# Altium PCB LimeSDR-USB_1v4s.PcbDoc (part 8 of 10)
Units mm, origin at the board's own origin, x right, y up, seen from the top; angles counter-clockwise.
Board outline 100 x 60 mm, 12 copper layers (Top, L2, L3, L4, L5, L6, L7, L8, L9, L10, L11, Bottom), stack 1.58 mm thick; 858 components, 627 nets, 4058 pads, 2110 vias.
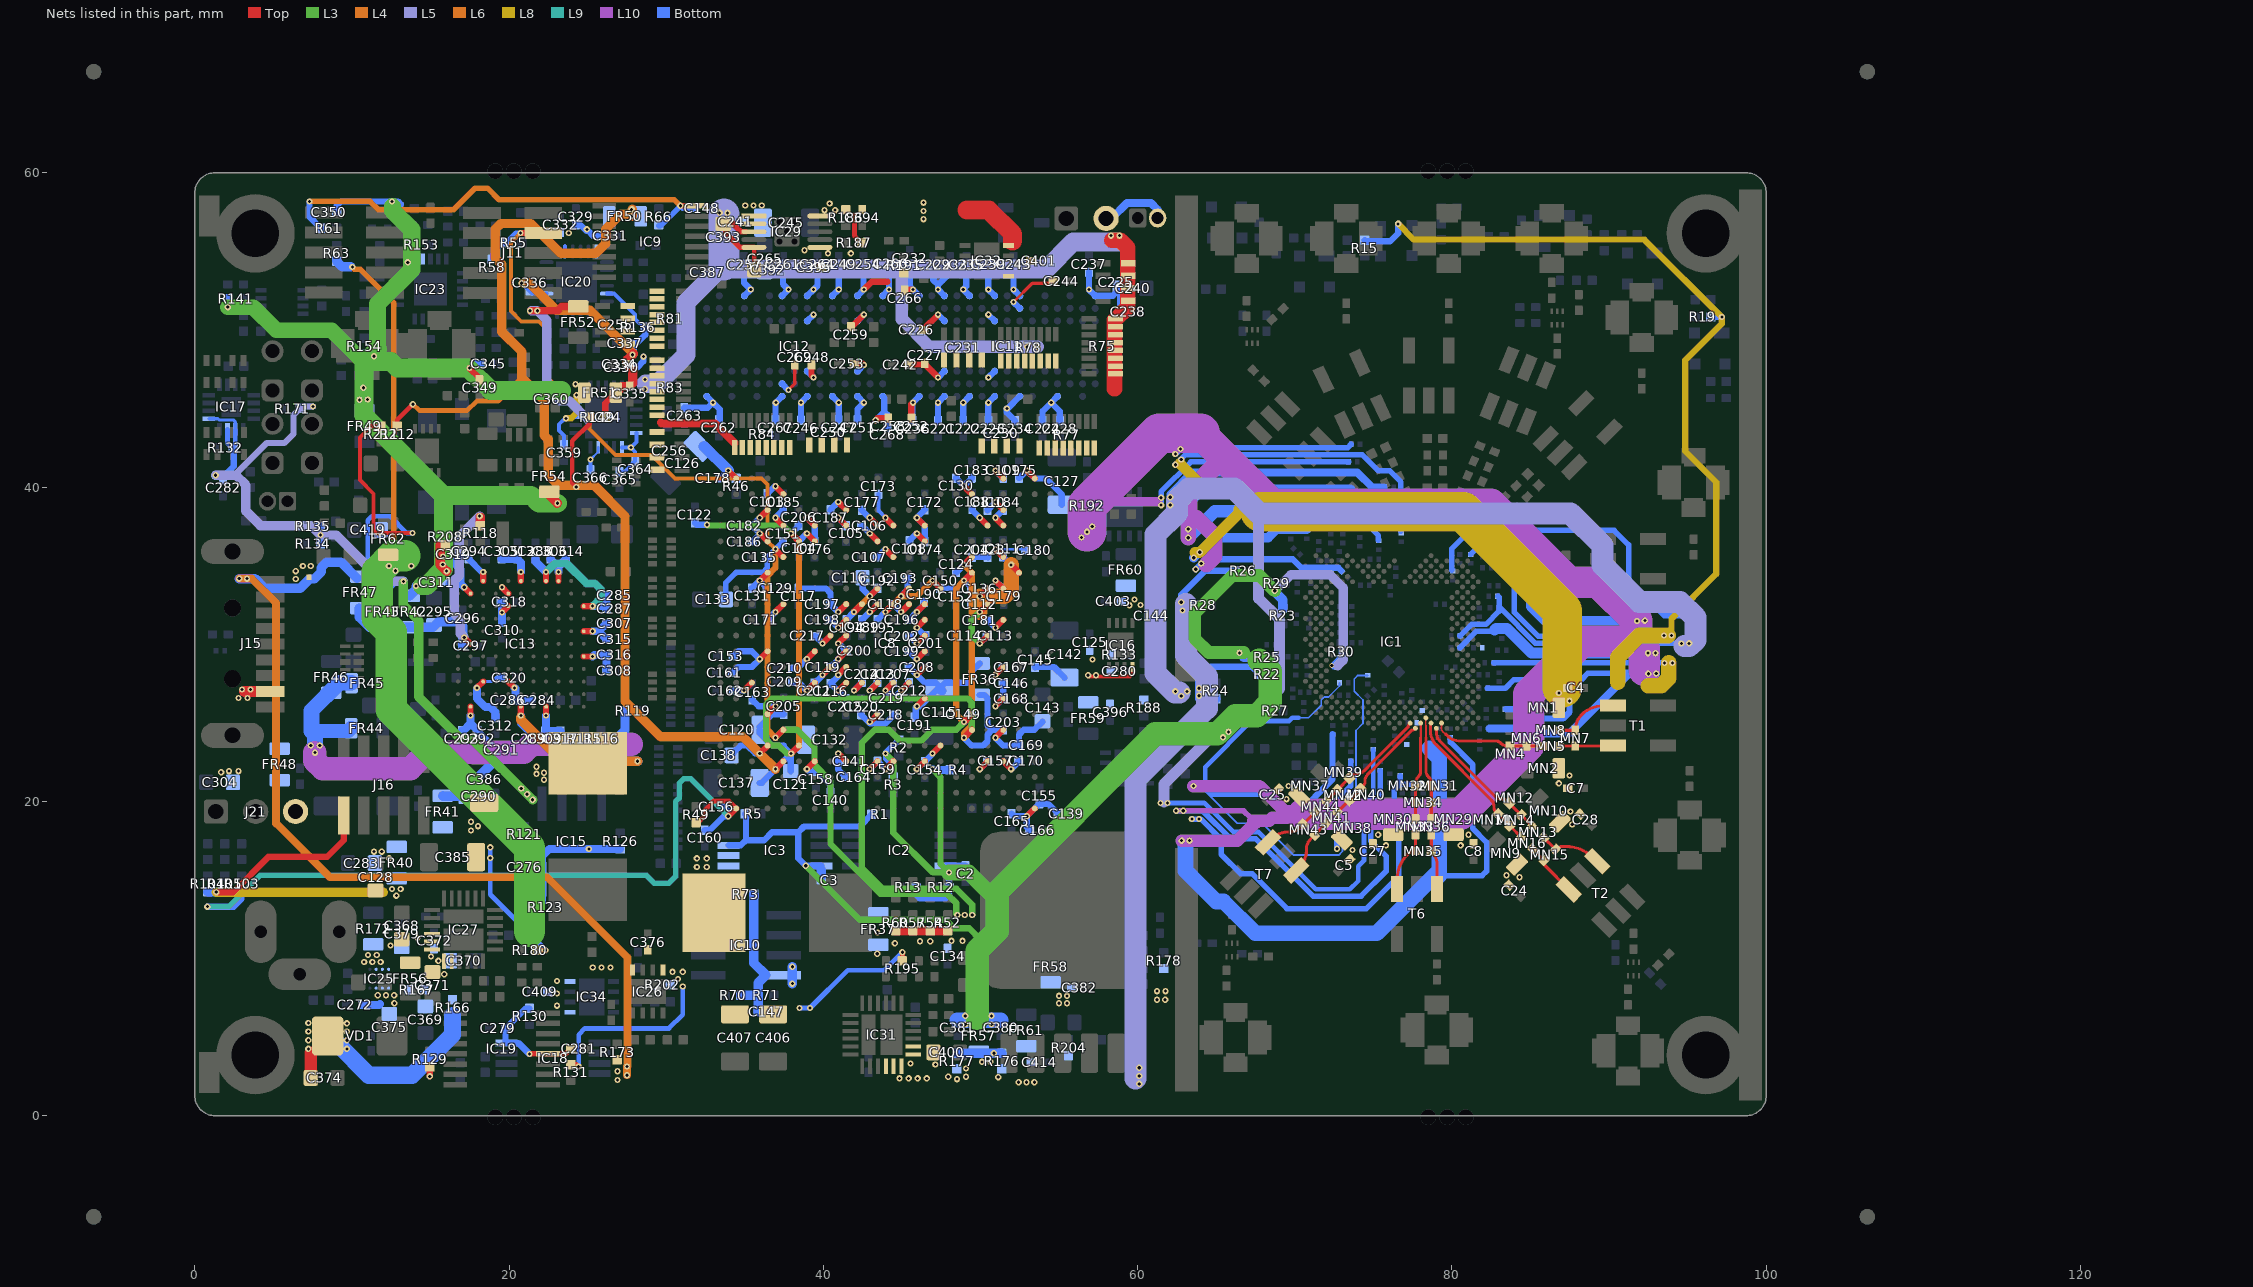
[diagram p18: the nets of this part, all layers, seen from the top]

## Via types
v1: diameter 0.4, hole 0.2, Top to Bottom, tented both sides, 1293 vias
v2: diameter 0.4, hole 0.2, Top to Bottom, tented top, 427 vias
v3: diameter 0.4, hole 0.2, Top to Bottom, 281 vias
v4: diameter 0.31, hole 0.2, Top to Bottom, tented top, 89 vias
v5: diameter 0.5, hole 0.2, Top to Bottom, tented both sides, 20 vias

## Nets (pads, with @x,y where several pads share a name; then routed paths per layer and width w, separated by ;. In a path a pad name is that pad's centre, name@x,y a point inside that pad or via, vN(x,y) a via of type N, cw(c..) or ccw(c..) an arc to the next point about the centre after c; other vN are vias at no path point) (continued)
TXRF1_1AB_P: IC1.B8 MN4.1 MN5.2 MN6.2 | length 7.2
  Top w0.11: IC1.B8@79.34,24.981 79.34,24.626 ccw(c79.608,24.626) 79.418,24.436 79.568,24.286
  Top w0.2: 79.611,24.278 79.761,24.128 ccw(c80.426,24.794) 80.426,23.853 82.755,23.853 cw(c82.755,23.345) 83.114,23.704 83.147,23.672 ccw(c83.506,24.031) 83.506,23.523 MN4.1@83.695,23.523 84.745,23.523 MN5.2@85.795,23.523
TXRF1_1BB_N: MN7.1 MN8.2 T1.3 | length 4.2
  Top w0.2: MN8.2@86.795,24.523 MN7.1@87.845,24.523 cw(c89.245,24.523) 88.255,25.512 cw(c89.656,24.111) 89.656,26.093 T1.3@90.113,26.093
TXRF1_1BB_P: MN5.1 MN7.2 T1.1 | length 3.5
  Top w0.2: MN5.1@86.795,23.523 87.195,23.523 MN7.2@87.845,23.523 90.183,23.523 ccw(c90.183,23.625) T1.1@90.255,23.553
TXRF1_2AB_N: IC1.B10 MN11.1 MN14.2 MN16.2 | length 9.6
  Top w0.19: 78.626,24.481 78.626,24.865 cw(c78.79,24.865) IC1.B10@78.674,24.981
  Top w0.2: 78.626,24.481 ccw(c79.876,24.481) 78.992,23.597 82.405,20.184 82.518,20.071 cw(c82.159,19.712) 82.667,19.712 82.667,19.666 ccw(c83.175,19.666) 82.815,19.307 82.95,19.173 83.232,18.89 MN14.2@83.692,18.43 MN16.2@84.434,17.688
TXRF1_2AB_P: IC1.A9 MN12.1 MN13.2 MN14.1 | length 9
  Top w0.2: IC1.A9@79.007,24.648 79.007,24.373 ccw(c79.757,24.373) 79.227,23.843 82.713,20.357 82.758,20.311 ccw(c83.118,20.671) 83.118,20.163 83.163,20.163 cw(c83.163,19.655) 83.523,20.014 83.939,19.597 MN14.1@84.399,19.137 MN13.2@85.142,18.395
TXRF1_2BB_N: MN15.1 MN16.1 T2.4 | length 3.5
  Top w0.2: MN16.1@85.142,16.981 MN15.1@85.884,16.238 85.884,16.01 ccw(c86.031,16.01) 85.927,15.906 T2.4@87.444,14.39
TXRF1_2BB_P: MN13.1 MN15.2 T2.6 | length 4
  Top w0.2: MN13.1@85.849,17.688 MN15.2@86.591,16.945 cw(c87.023,16.513) 87.023,17.124 87.249,17.124 cw(c87.249,14.584) 88.987,16.437 cw(c87.249,14.584) 89.032,16.393 cw(c87.249,14.584) 89.045,16.38 T2.6@89.24,16.186
TXRF2_1AB_N: IC1.C11 MN31.1 MN34.1 MN36.1 | length 6.5
  Top w0.11: 78.341,24.809 IC1.C11@78.341,25.314
  Top w0.14: 78.341,24.809 78.341,24.069 78.35,24.059
  Top w0.2: 78.35,24.059 78.35,21.924 ccw(c78.858,21.924) 78.499,21.565 78.532,21.533 cw(c78.173,21.173) 78.681,21.173 MN31.1@78.681,20.984 78.681,20.584 MN34.1@78.68,19.934 MN36.1@78.68,18.884
TXRF2_1AB_P: IC1.B12 MN32.1 MN33.2 MN34.2 | length 6.2
  Top w0.14: IC1.B12@78.008,24.981 cw(c77.979,24.952) 78.02,24.952 78.02,24.069 78.01,24.059
  Top w0.2: MN33.2@77.68,18.884 MN34.2@77.68,19.934 MN32.1@77.68,20.984 77.68,21.173 cw(c78.188,21.173) 77.829,21.533 77.862,21.565 ccw(c77.502,21.924) 78.01,21.924 78.01,24.059
TXRF2_1BB_N: MN35.1 MN36.2 T6.3 | length 3.6
  Top w0.2: MN36.2@78.68,17.884 MN35.1@78.68,16.834 cw(c77.787,15.941) 79.05,15.941 T6.3@79.05,14.424
TXRF2_1BB_P: MN33.1 MN35.2 T6.1 | length 4
  Top w0.2: T6.1@76.51,14.424 76.51,15.014 cw(c78.791,15.014) 77.178,16.626 cw(c77.681,16.124) MN35.2@77.68,16.834 77.68,17.484 MN33.1@77.68,17.884
TXRF2_2AB_N: IC1.B14 MN39.1 MN42.2 MN44.2 | length 7.4
  Top w0.2: MN44.2@71.993,20.007 MN42.2@72.736,20.749 MN39.1@73.478,21.492 73.612,21.626 cw(c73.971,21.266) 73.971,21.774 74.017,21.774 ccw(c74.017,22.282) 74.377,21.923 74.924,22.471 77.242,24.789 cw(c77.466,24.789) 77.307,24.947 IC1.B14@77.342,24.981
TXRF2_2AB_P: IC1.A13 MN40.1 MN41.2 MN42.1 | length 7.4
  Top w0.2: MN41.2@72.7,19.3 MN42.1@73.443,20.042 73.902,20.502 MN40.1@74.185,20.784 74.319,20.919 ccw(c73.96,21.278) 74.468,21.278 74.468,21.324 cw(c74.976,21.324) 74.617,21.683 75.164,22.23 77.482,24.548 ccw(c77.482,24.772) 77.64,24.614 IC1.A13@77.675,24.648
TXRF2_2BB_N: MN43.1 MN44.1 T7.4 | length 3.7
  Top w0.2: T7.4@68.295,17.397 68.503,17.605 cw(c69.58,16.528) 69.58,18.052 69.673,18.052 ccw(c69.673,18.933) 70.296,18.31 MN43.1@70.544,18.557 71.003,19.017 MN44.1@71.286,19.3
TXRF2_2BB_P: MN41.1 MN43.2 T7.6 | length 3.7
  Top w0.2: T7.6@70.091,15.601 70.299,15.809 ccw(c69.221,16.887) 70.745,16.887 70.745,16.979 cw(c71.626,16.979) 71.003,17.602 MN43.2@71.251,17.85 MN41.1@71.993,18.592
VCC1P2: C115.2 C116.2 C117.2 C118.1 C119.1 C189.1 C190.1 C191.1 C192.1 C193.1 C194.1 C195.1 C196.1 C197.1 C198.1 C199.1 C200.1 C201.1 C202.1 C207.1 C208.1 C209.1 C210.1 C211.1 C212.1 C213.1 C214.1 C215.1 C216.1 C217.1 C218.1 C219.1 C220.1 C406.2 C407.2 FR36.1 FR44.2 FR45.2 FR46.2 FR48.1 IC8.G12 IC8.H9 IC8.J10 IC8.J11 IC8.J12 IC8.J13 IC8.J14 IC8.J16 IC8.K9 IC8.K14 IC8.K15 IC8.L9 IC8.L14 IC8.L16 IC8.M9 IC8.M14 IC8.M15 IC8.N9 IC8.N14 IC8.P9 IC8.P10 IC8.P11 IC8.P12 IC8.P13 IC8.P14 IC8.R8 IC8.R10 IC8.R12 L2.2 R195.1 | length 101.8
  Top w0.309: R195.1@45.025,9.85 v1(45.025,10.4)
  Top w0.4: v2(38.95,27.05) IC8.J16@39.45,27.55 ; v2(38.95,29.05) IC8.L16@39.45,29.55 ; v2(39.95,28.05) IC8.K15@40.45,28.55 ; v2(39.95,30.05) IC8.M15@40.45,30.55 ; v2(40.95,27.05) IC8.J14@41.45,27.55 ; v2(40.95,28.05) IC8.K14@41.45,28.55 ; v2(40.95,29.05) IC8.L14@41.45,29.55 ; v2(40.95,30.05) IC8.M14@41.45,30.55 ; v2(40.95,31.05) IC8.N14@41.45,31.55 ; v2(40.95,32.05) IC8.P14@41.45,32.55 ; v2(41.95,27.05) IC8.J13@42.45,27.55 ; v2(41.95,32.05) IC8.P13@42.45,32.55 ; v2(42.95,25.05) IC8.G12@43.45,25.55 ; v2(42.95,27.05) IC8.J12@43.45,27.55 ; v2(42.95,32.05) IC8.P12@43.45,32.55 ; v2(42.95,33.05) IC8.R12@43.45,33.55 ; v2(43.95,27.05) IC8.J11@44.45,27.55 ; v2(43.95,32.05) IC8.P11@44.45,32.55 ; v2(44.95,27.05) IC8.J10@45.45,27.55 ; v2(44.95,32.05) IC8.P10@45.45,32.55 ; v2(44.95,33.05) IC8.R10@45.45,33.55 ; v2(45.95,26.05) IC8.H9@46.45,26.55 ; v2(45.95,28.05) IC8.K9@46.45,28.55 ; v2(45.95,29.05) IC8.L9@46.45,29.55 ; v2(45.95,30.05) IC8.M9@46.45,30.55 ; v2(45.95,31.05) IC8.N9@46.45,31.55 ; v2(45.95,32.05) IC8.P9@46.45,32.55 ; v1(46.95,34.05) IC8.R8@47.45,33.55
  L10 w1.5: v1@7.625,23.1 7.625,22.6 8.15,22.075 13.7,22.075 14.75,23.125 20.925,23.125 21.425,23.625 27.775,23.625
  L6 w0.4: v2(41.95,32.05) v2(42.95,33.05) ; v2(43.95,32.05) v2(44.95,33.05) 45.95,33.05 v1(46.95,34.05)
  Bottom w0.309: v1(38.475,6.85) v1(39.15,6.85) 41.55,9.25 43.875,9.25 44.6,9.975 v1(45.025,10.4)
  Bottom w0.4: C209.1@38.05,27.6 38.4,27.6 v2(38.95,27.05) 39.4,27.5 39.425,27.5 39.95,28.025 v2(39.95,28.05) ; C210.1@38.05,28.475 38.375,28.475 v2(38.95,29.05) ; C117.2@38.4,33.55 40.157,33.55 40.45,33.257 C197.1@40.45,32.55 ; C217.1@39.475,30.525 v2(39.95,30.05) ; C198.1@40.425,31.55 40.45,31.55 v2(40.95,31.05) ; C197.1@40.425,32.55 C197.1@40.45,32.55 ; C119.1@40.475,28.55 40.95,29.025 v2(40.95,29.05) 40.95,29.075 C200.1@41.45,29.575 40.975,30.05 v2(40.95,30.05) ; v2(40.95,28.05) 40.95,27.975 40.475,27.5 40.925,27.05 v2(40.95,27.05) 41.375,26.625 C215.1@41.375,26.525 ; v2(40.95,32.05) C197.1@40.45,32.55 ; C194.1@41.475,31.55 41.475,31.575 v2(41.95,32.05) ; v2(41.95,27.05) 42.45,27.55 C214.1@42.45,27.575 ; C220.1@42.4,25.525 42.975,24.95 43.95,24.95 C218.1@44.5,25.5 ; C189.1@42.45,31.575 42.475,31.575 v2(42.95,32.05) ; C116.2@42.5,34.225 42.5,33.5 v2(42.95,33.05) C192.1@43.45,33.55 ; v2(42.95,27.05) 42.95,27.075 C213.1@43.45,27.575 ; C195.1@43.45,31.55 v2(43.95,32.05) ; C118.1@44.425,32.55 44.45,32.55 v2(44.95,32.05) ; C207.1@44.45,27.575 44.45,27.55 v2(43.95,27.05) 43.975,27.05 44.5,26.525 44.5,26.6 v2(44.95,27.05) C212.1@45.45,27.55 ; v2(44.95,33.05) 45.35,33.45 C193.1@45.35,34.2 ; C208.1@45.45,28.55 v2(45.95,28.05) 46.45,27.55 47.15,27.55 47.4,27.3 46.15,26.05 v2(45.95,26.05) 45.875,25.975 C191.1@45.875,25.35 ; C199.1@45.475,29.55 45.475,29.525 v2(45.95,29.05) ; C202.1@45.475,30.5 45.5,30.5 v2(45.95,30.05) ; C196.1@45.5,31.55 45.5,31.6 v2(45.95,32.05) 46.4,32.5 C190.1@46.4,32.675 ; v2(45.95,31.05) 46.4,30.6 C201.1@46.525,30.6 ; C115.2@47.375,27.175 47.75,27.55 49.175,27.55 49.45,27.825 49.45,28.275 FR36.1@49.95,28.775
  Bottom w0.6: C115.2@47.4,27.175 C115.2@47.525,27.05
  Bottom w0.9: 7.65,24.475 9.775,24.475 FR44.2@9.95,24.65 ; FR45.2@9.95,27.55 FR45.2@9.975,27.525
  Bottom w1: 7.425,24.475 7.425,25.775 9.2,27.55 FR45.2@9.95,27.55 ; 7.65,23.375 7.65,24.475
  other v1: 31.95,15.825 32.575,15.825 31.95,16.375 32.575,16.375 7.65,23.1 7.375,23.55 7.95,23.55
VCC1P2D_FPGA: C120.2 C121.2 C122.2 C123.1 C124.1 C203.1 C204.1 C205.1 C206.1 FR36.2 IC8.E17 IC8.F6 IC8.U6 IC8.V17 | length 70.7
  Top w0.4: v2(37.95,23.05) IC8.E17@38.45,23.55 ; v2(37.95,37.05) IC8.V17@38.45,36.55 ; v2(48.95,24.05) IC8.F6@49.45,24.55 ; v2(48.95,35.05) IC8.U6@49.45,35.55
  L3 w0.4: v1(32.6,37.6) 32.65,37.55 37.45,37.55 v2(37.95,37.05) ; v2(37.95,23.05) 37.657,23.05 37.157,23.55 36.743,23.55 36.35,23.943 36.35,26.157 36.743,26.55 49.175,26.55 49.45,26.275 49.45,24.55 v2(48.95,24.05)
  L6 w0.4: v2(37.95,23.05) 38.45,23.55 38.45,36.55 v2(37.95,37.05) ; v2(48.95,24.05) 48.95,24.343 49.45,24.843 49.45,31.843 49.45,33.843 49.45,34.55 v2(48.95,35.05)
  Bottom w0.4: C122.2@31.825,37.725 31.95,37.6 v1(32.6,37.6) ; C120.2@35.95,24.55 35.95,24.343 36.743,23.55 37.475,23.55 37.475,23.475 v2@37.925,23.025 ; C120.2@35.95,24.757 36.743,25.55 C205.1@37.475,25.55 ; 37.45,22.55 v2@37.925,23.025 ; C121.2@37.925,21.925 v2@37.925,23.025 ; v2(37.95,37.05) 38.425,37.525 C206.1@38.425,37.575 ; C124.1@48.45,34.575 48.475,34.575 v2(48.95,35.05) ; v2(48.95,24.05) 49.45,23.55 50.157,23.55 50.45,23.843 50.45,24.257 50.743,24.55 ; v2@48.975,35.05 C204.1@49.45,35.525 49.45,35.55 50.45,35.55 C123.1@50.475,35.525 ; FR36.2@49.95,26.775 50.225,26.775 50.45,26.55 50.45,24.843 50.743,24.55 ; C203.1@51.45,24.55 50.743,24.55
VCC1P4_LMS: FR16.1 FR17.2 FR24.2 FR33.2 FR34.2 FR35.2 R188.1 | length 154.5
  L5 w0.7: 61.675,19.975 61.675,21.103 66.122,25.55 67.425,25.55 69.025,27.15 69.025,31.6 67.7,32.925 67.7,38.35
  L5 w0.8: 62.5,38.35 62.625,38.225
  L5 w1.4: 62.65,26.925 62.375,26.925 61.125,28.175 61.125,36.975 62.5,38.35 62.5,39.15 63.275,39.925 66.125,39.925 67.725,38.325 87.55,38.325 89.594,36.281 89.594,35.049 91.943,32.7 94.5,32.7 95.5,31.7 95.5,30.275 95.1,29.875 94.8,29.875
  Bottom w0.3: v1(61.45,19.9) v1(61.9,19.9) 64.244,19.9 66.091,18.052 67.688,18.052 71.34,14.4 73.5,14.4 74.033,14.933 74.033,15.858 74.4,16.225 74.4,19.85 75.001,20.451 FR17.2@75.001,23.314
  Bottom w0.35: FR33.2@80.001,34.694 80.001,36.091 81.16,37.25 90.325,37.25 91.25,36.325 91.25,34.075 93.5,31.825 94.694,31.825 95.094,31.425 v1(95.094,30.056) 85.314,30.056 83.076,32.294 83.006,32.294 83.006,32.994 FR35.2@82.931,33.069 ; FR16.1@80.51,30.525 81.249,31.264 82.164,31.264 83.006,32.106 83.006,32.156 FR34.2@83.075,32.225
  Bottom w0.5: v1(62.072,38.85) v1(62.072,39.35) 62.072,39.548 63.449,40.925 73.977,40.925 74.92,39.982 FR24.2@75.658,39.982
  other v1: 62.775,26.7 62.4,27 63.15,27 94.6,30.05
VCC1P8: C126.2 C127.2 C128.2 C129.2 C130.2 C131.1 C171.1 C172.1 C173.1 C174.1 C175.1 C176.1 C177.1 C178.1 C179.1 C180.1 C181.1 C182.1 C183.1 C184.1 C185.1 C186.1 C187.1 C188.1 C364.1 C365.1 C366.1 FR40.1 FR52.1 IC8.AA6 IC8.AB2 IC8.AB21 IC8.N4 IC8.P18 IC8.R4 IC8.T19 IC8.U4 IC8.V19 IC8.W4 IC8.W5 IC8.W9 IC8.W11 IC8.W12 IC8.W16 IC8.W18 IC8.Y14 IC8.Y19 IC24.10 IC24.11 IC24.14 R46.2 R131.2 R202.1 | length 68.3
  Top w0.3: R131.2@23.925,3.25 24.3,3.25 v1(24.425,3.125)
  Top w0.4: v2(33.95,41.05) IC8.AB21@34.45,40.55 ; v2(35.95,34.05) IC8.T19@36.45,34.55 ; v2(35.95,37.05) IC8.V19@36.45,36.55 ; v2(35.95,38.05) IC8.Y19@36.45,38.55 ; v2(36.95,32.05) IC8.P18@37.45,32.55 ; v2(36.95,38.05) IC8.W18@37.45,37.55 ; v2(38.95,38.05) IC8.W16@39.45,37.55 ; v2(40.95,39.05) IC8.Y14@41.45,38.55 ; v2(42.95,38.05) IC8.W12@43.45,37.55 ; v2(43.95,38.05) IC8.W11@44.45,37.55 ; v2(45.95,38.05) IC8.W9@46.45,37.55 ; v2(48.95,40.05) IC8.AA6@49.45,39.55 ; v2(49.95,38.05) IC8.W5@50.45,37.55 ; v2(50.95,31.05) IC8.N4@51.45,31.55 ; v2(50.95,34.05) IC8.R4@51.45,33.55 ; v2(50.95,36.05) IC8.U4@51.45,35.55 ; v2(50.95,38.05) IC8.W4@51.45,37.55 ; v2(52.95,41.05) IC8.AB2@53.45,40.55
  Top w0.5: v1@21.375,51.225 v1(21.8,51.225) 23.075,51.225 23.35,51.5 FR52.1@24.325,51.5
  L5 w0.6: v1@21.425,51.225 v1(21.8,51.225) 22.4,50.625 22.4,46.275 23.187,45.487 23.838,45.487 25.036,44.289
  Bottom w0.15: v1(25.175,41.75) 25.675,42.25 IC24.14@25.675,42.525 ; v2(50.95,36.05) 52.875,36.05 C180.1@52.875,35.975
  Bottom w0.25: C366.1@25.175,41.1 v1(25.175,41.75) ; C365.1@27.025,40.975 27.351,40.975 28.025,41.649 28.025,42.25 v1(27.75,42.525) ; IC24.11@27.175,42.525 v1(27.75,42.525) ; IC24.10@28.1,43.45 28.1,42.875 v1(27.75,42.525) ; C173.1@43.5,39.55 43.5,38.5 v2(43.95,38.05)
  Bottom w0.3: v1(24.425,3.125) 24.425,5.15 24.825,5.55 30.175,5.55 31.05,6.425 v1(31.05,8.225)
  Bottom w0.4: C178.1@33.45,40.55 v2(33.95,41.05) ; v2@33.95,41.15 v2(33.95,41.05) ; R46.2@34.45,40.55 v2(33.95,41.05) ; C131.1@35.45,33.575 v2@35.925,34.05 ; C186.1@35.475,36.525 35.95,37 v2(35.95,37.05) C182.1@35.475,37.525 35.475,37.575 v2(35.95,38.05) ; v2(35.95,34.05) C129.2@36.425,33.575 ; C171.1@36.5,31.55 36.5,31.6 v2(36.95,32.05) ; v2(36.95,38.05) C185.1@37.45,38.55 ; v2(38.95,38.05) 39.45,37.55 39.45,36.55 C176.1@39.425,36.55 ; C187.1@40.45,38.55 v2(40.95,39.05) ; C177.1@42.45,38.525 42.925,38.05 v2(42.95,38.05) ; C174.1@46.45,36.525 46.45,37.55 v2(45.95,38.05) C172.1@46.45,38.55 ; C130.2@48.45,40.575 v2@48.95,40.075 ; v2(48.95,40.05) v2@48.95,40.075 ; C183.1@49.45,40.575 v2@48.95,40.075 ; C188.1@49.475,38.575 49.475,38.525 v2(49.95,38.05) ; C181.1@50.45,31.525 50.925,31.05 v2(50.95,31.05) ; v2(50.95,34.05) 51.45,33.55 C179.1@51.625,33.55 ; v2(50.95,38.05) C184.1@51.425,38.525 ; C175.1@52.45,40.575 52.475,40.575 v2(52.95,41.05) 53.45,40.55 54.157,40.55 55.175,39.532 C127.2@55.175,38.875
  Bottom w0.7: C126.2@32.414,42.586 v2(33.95,41.05)
  other v1: 30.75,8.7 30.4,9.15 31.05,9.15 12.825,14 12.55,14.425 13.1,14.425 21.325,51.225
VCC1P8_DDR2: C221.1 C222.1 C223.1 C224.1 C226.1 C227.1 C228.1 C229.1 C232.1 C233.1 C234.1 C235.1 C236.1 C237.1 C238.1 C239.1 C240.2 C241.2 C242.2 C243.1 C245.2 C246.1 C247.1 C248.1 C249.1 C251.1 C252.1 C253.1 C254.1 C257.1 C258.1 C259.1 C260.1 C261.1 C262.1 C263.1 C264.1 C265.2 C266.2 C267.2 C268.1 C387.2 IC11.A1 IC11.A9 IC11.C1 IC11.C3 IC11.C7 IC11.C9 IC11.E1 IC11.E9 IC11.G1 IC11.G3 IC11.G7 IC11.G9 IC11.J1 IC11.J9 IC11.M9 IC11.R1 IC12.A1 IC12.A9 IC12.C1 IC12.C3 IC12.C7 IC12.C9 IC12.E1 IC12.E9 IC12.G1 IC12.G3 IC12.G7 IC12.G9 IC12.J1 IC12.J9 IC12.M9 IC12.R1 IC29.1 IC29.2 R191.1 | length 70.1
  Top w0.4: C248.1@39.25,47.775 39.25,47.1 v1(39.375,46.975) ; C259.1@41.75,50.2 41.8,50.2 v1(42.575,50.975) ; C253.1@41.975,47.85 42.5,47.85 v1(42.575,47.775) ; v1(42.575,52.575) 43.075,53.075 44.075,53.075 ; v1(43.325,44.25) 43.45,44.375 C258.1@44.125,44.375 ; C266.2@45.175,52.525 45.225,52.575 v1(45.7,52.575) ; C242.2@45.4,47.8 46.475,47.8 v1(47.3,46.975) ; C252.1@45.6,44.375 45.6,45.275 v1(45.7,45.375) ; C226.1@46.4,50 46.4,50.075 v1(47.3,50.975)
  Bottom w0.4: C263.1@31.15,45.05 32.65,45.05 v1(32.975,45.375) ; IC12.R1@32.575,45.775 v1(32.975,45.375) ; C262.1@33.4,44.275 33.4,44.95 v1(32.975,45.375) ; C387.2@33.45,53.675 34.925,53.675 C257.1@34.95,53.65 ; IC12.M9@34.975,52.175 v1(35.375,52.575) 34.95,53 C257.1@34.95,53.65 ; C267.2@36.95,44.275 36.95,45.35 v1(36.975,45.375) IC12.J1@37.375,45.775 ; IC12.J9@37.375,52.175 v1(37.775,52.575) 37.425,52.925 C261.1@37.425,53.675 36.325,53.675 36.275,53.725 35.025,53.725 C257.1@34.95,53.65 ; C246.1@38.575,44.25 v1(38.575,45.375) IC12.G1@38.975,45.775 ; IC12.G3@38.975,47.375 v1(39.375,46.975) ; IC12.G7@38.975,50.575 v1(39.375,50.975) ; IC12.G9@38.975,52.175 v1(39.375,52.575) 39.625,52.825 C264.1@39.625,53.675 ; IC12.E1@40.575,45.775 v1(40.975,45.375) C247.1@40.975,44.275 ; IC12.E9@40.575,52.175 v1(40.975,52.575) C249.1@40.975,53.675 ; C251.1@42.175,44.275 42.175,44.975 v1(42.575,45.375) IC12.C1@42.175,45.775 ; IC12.C3@42.175,47.375 v1(42.575,47.775) ; IC12.C7@42.175,50.575 v1(42.575,50.975) ; IC12.C9@42.175,52.175 v1(42.575,52.575) 42.55,52.6 C254.1@42.55,53.675 ; v1(43.325,44.25) 43.875,44.8 ; IC12.A1@43.775,45.775 43.875,45.675 43.875,44.8 ; IC12.A9@43.775,52.175 v1(44.175,52.575) C260.1@44.175,53.7 ; C268.1@44.075,43.825 44.075,44.6 43.875,44.8 ; C232.1@45.5,54.05 45.5,52.775 v1(45.7,52.575) IC11.A1@46.1,52.175 ; C236.1@45.675,44.225 45.675,45.35 v1(45.7,45.375) IC11.A9@46.1,45.775 ; C229.1@47,53.65 47,53.175 47.3,52.875 ; C221.1@47.3,44.225 v1(47.3,45.375) IC11.C9@47.7,45.775 ; v1(47.3,46.975) IC11.C7@47.7,47.375 ; v1(47.3,50.975) IC11.C3@47.7,50.575 ; IC11.C1@47.7,52.175 v1(47.3,52.575) 47.3,52.875 ; C233.1@48.075,53.65 47.3,52.875 ; C222.1@48.9,44.225 v1(48.9,45.375) IC11.E9@49.3,45.775 ; C235.1@49.1,53.65 49.1,52.775 v1(48.9,52.575) IC11.E1@49.3,52.175 ; C223.1@50.5,44.225 v1(50.5,45.375) IC11.G9@50.9,45.775 ; v1(50.5,46.975) IC11.G7@50.9,47.375 ; v1(50.5,50.975) IC11.G3@50.9,50.575 ; C239.1@50.5,53.675 v1(50.5,52.575) IC11.G1@50.9,52.175 ; C243.1@52.1,53.675 v1(52.1,52.575) IC11.J1@52.5,52.175 ; C234.1@52.2,44.225 51.675,44.75 v1(51.675,45) 51.725,45 IC11.J9@52.5,45.775 ; C224.1@53.95,44.225 53.95,44.825 v1(54.5,45.375) ; IC11.M9@54.9,45.775 v1(54.5,45.375) ; C228.1@55.05,44.225 55.05,44.825 v1(54.5,45.375) ; C237.1@56.9,53.675 v1(56.9,52.575) IC11.R1@57.3,52.175 58.425,52.175 58.875,52.625 C238.1@58.875,51.15
  other v1: 35.025,57.925 35.55,57.925 36.075,57.925
VCC1P8_FX3: C283.2 C284.1 C285.1 C286.2 C287.2 C288.1 C289.2 FR40.2 IC13.E3 IC13.F1 IC13.H11 IC13.L9 R115.1 R116.1 R119.1 | length 28.9
  Top w0.4: IC13.E3@19.95,27.625 v2(20.35,27.225) ; v2(20.75,25.459) IC13.F1@20.75,26.025 ; IC13.H11@22.35,34.025 v2(22.35,34.591) ; IC13.L9@24.75,32.425 v2(25.316,32.425)
  L4 w0.6: v2@20.75,25.359 20.75,25.175 23.375,22.55 v1(28.175,22.55)
  L9 w0.5: v2@22.372,34.591 22.922,35.141 23.657,35.141 24.922,33.875 25.443,33.875 25.866,33.453 25.866,32.975 v2(25.316,32.425)
  Bottom w0.5: v2(20.35,27.225) 20.4,27.175 C286.2@20.4,26.425 C284.1@21.45,26.425 ; v2(20.75,25.459) 20.75,24.975 C289.2@21.25,24.475 ; C288.1@21.675,35.425 21.675,35.266 v2(22.35,34.591) ; v2(25.316,32.425) C287.2@26.025,32.425 ; C287.2@26.2,32.25 C285.1@26.2,33.125
  Bottom w0.6: R115.1@24.775,23.5 R116.1@25.85,23.5 26.35,23.5 ; R119.1@27.375,25.775 27.375,24.525 26.35,23.5 ; v1(28.175,22.55) 27.3,22.55 26.35,23.5
  other v1: 12.375,16.375 11.4,16.8 11.9,16.8
VCC1P8_LMS: C4.2 C5.2 C7.2 C8.2 C24.2 C25.2 C27.2 C28.2 FR3.2 FR6.2 FR7.2 FR12.2 FR19.2 FR21.1 FR23.1 FR32.2 MN1.2 MN2.2 MN9.2 MN10.2 MN29.2 MN30.2 MN37.2 MN38.2 R15.2 R19.2 R31.2 R33.2 R41.1 R178.1 | length 177.3
  L8 w0.4: v1(76.575,56.75) 77.575,55.75 92.25,55.75 v1(97.175,50.825) 97.175,50.4 94.85,48.075 94.85,42.275 96.825,40.3 96.825,34.475 93.975,31.625 v1(93.975,30.55)
  L8 w0.7: 62.687,41.488 64.375,39.8 ; 63.65,35.85 v1(63.95,35.85) 66.45,38.35 66.45,38.6
  L8 w1: 90.55,27.6 90.55,29.175 91.925,30.55 v1(93.5,30.55) 93.75,30.55 ; 92.5,27.35 93.3,27.35 93.8,27.85 93.8,28.825
  L8 w2.5: 67.8,38.425 80.725,38.425 87.025,32.125 87.025,27.225
  Bottom w0.35: v1(62.4,41.425) 63.025,42.05 73.825,42.05 74.304,42.05 75.309,41.045 76.029,41.045 76.751,40.323 FR19.2@76.751,37.194 ; v1(63.45,18.875) 64.031,18.875 65.321,17.585 65.321,16.622 66.562,15.381 67.294,15.381 69.5,13.175 74.559,13.175 76.631,15.247 76.631,17.541 76.325,17.847 76.325,20.725 76.685,21.085 FR7.2@76.689,21.085 ; v1(72.685,16.983) 72.685,20.109 73.551,20.975 R31.2@73.551,22.564 ; FR3.2@76.7,21.64 76.7,21.096 FR7.2@76.689,21.085 ; 77.24,21.089 77.236,21.085 FR7.2@76.689,21.085 ; FR21.1@82.654,28.806 v1(93.525,28.806) 94.019,28.806 v1(94.025,28.8) ; FR23.1@83.926,33.939 83.975,33.89 83.975,32.031 85.5,30.506 93.931,30.506 v1(93.975,30.55)